# KiCad board TS_FPGA_Module_Rev2.kicad_pcb (continued)
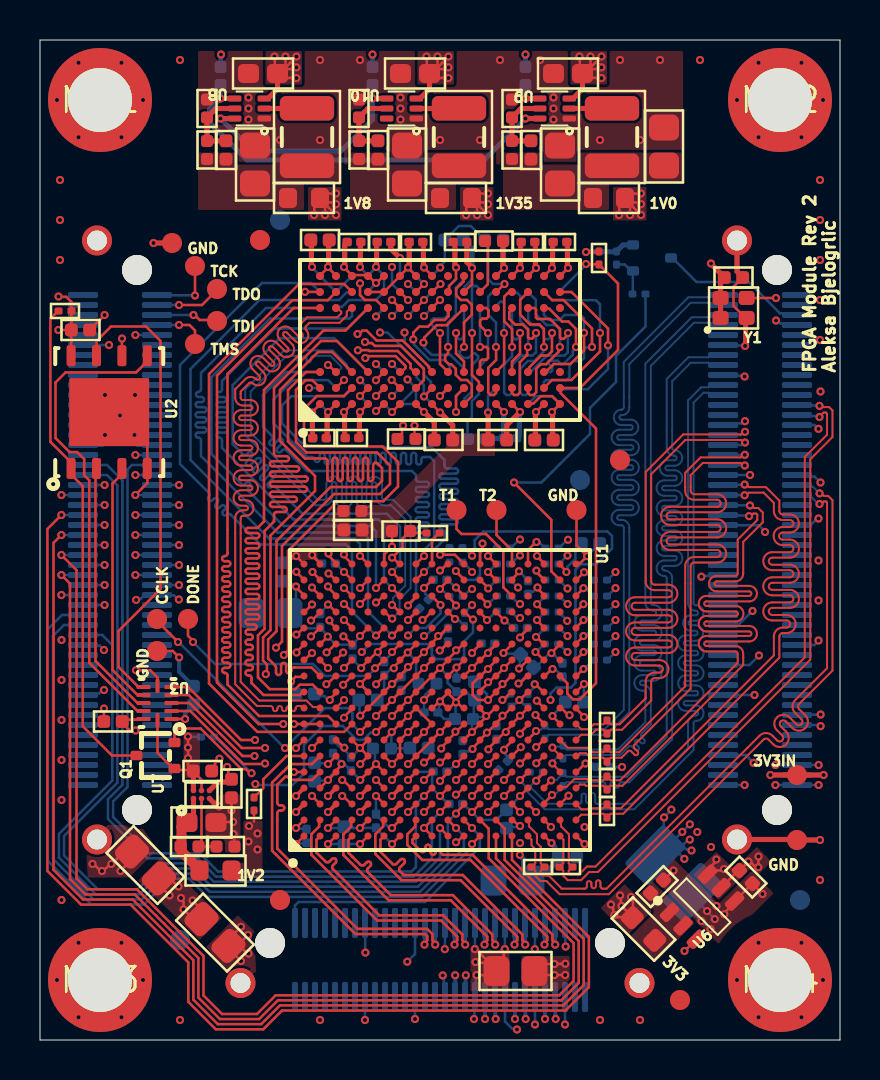
[diagram p0: board, top side]
## Routing (per net, layer and track width the routed paths; a pad name or vN(x,y) marks a point on that pad's centre or on a via; arc(x,y) is an arc through that point) (continued)
/FPGA_Banks_14_15_DDR3/DDR3_A10: length 1.2
  Top Layer w0.127: v1(22.4,24.2) U1.N18
  Bottom Layer w0.127: R32.1 22.81,24.6 22.41,24.2 v1(22.4,24.2)
/FPGA_Banks_14_15_DDR3/DDR3_A10_T: length 45.9
  Top Layer w0.127: v1(22.4,35.35) 22.38,35.35 22.01,35.72 22.01,35.97 22.11,36.07 22.32,36.07 22.42,36.17 22.42,36.49 22.31,36.6 U4.L7
  Int2 (Sign) w0.127: v1(22.4,35.35) 22.4,33.62 22.7,33.32 26.98,33.32 27.65,32.65 28.35,32.65 28.44,32.56 28.44,32.33 arc(28.41,32.24) 28.32,32.2 27.93,32.2 arc(27.8,32.08) 27.93,31.95 28.81,31.95 arc(28.93,31.82) 28.81,31.69 27.93,31.69 arc(27.8,31.57) 27.93,31.44 28.81,31.44 arc(28.93,31.31) 28.81,31.19 27.93,31.19 arc(27.8,31.06) 27.93,30.93 28.81,30.93 arc(28.93,30.81) 28.81,30.68 27.93,30.68 arc(27.8,30.55) 27.93,30.42 28.81,30.42 arc(28.93,30.3) 28.81,30.17 27.93,30.17 arc(27.8,30.04) 27.93,29.92 28.81,29.92 arc(28.93,29.79) 28.81,29.66 27.93,29.66 arc(27.8,29.54) 27.93,29.41 28.81,29.41 arc(28.93,29.28) 28.81,29.15 27.93,29.15 arc(27.8,29.03) 27.93,28.9 28.81,28.9 arc(28.93,28.77) 28.81,28.65 27.93,28.65 arc(27.8,28.52) 27.93,28.39 28.81,28.39 arc(28.93,28.27) 28.81,28.14 27.72,28.14 arc(27.6,28.01) 27.72,27.88 28.81,27.88 arc(28.93,27.76) 28.81,27.63 27.22,27.63 arc(27.09,27.5) 27.22,27.38 28.32,27.38 arc(28.41,27.34) 28.45,27.25 28.45,26.12 28.3,25.98 24.57,25.98 24,25.4 v1(24,25.03)
  Bottom Layer w0.127: U5.L7 22,33.7 22.4,34.1 v1(22.4,35.35) ; v1(24,25.03) 23.96,25.03 23.54,24.6 23.53,24.6
/FPGA_Banks_14_15_DDR3/DDR3_A11: length 1.2
  Top Layer w0.127: v1(27.17,21) 27.17,20.99 26.8,20.61 U1.V14
  Bottom Layer w0.127: R38.1 27.67,21.4 27.33,21.05 27.23,21.05 v1(27.17,21)
/FPGA_Banks_14_15_DDR3/DDR3_A11_T: length 48
  Top Layer w0.127: U4.R7 25.24,36.56 25.46,36.56 26.1,35.93 26.42,35.93 26.8,35.55 v1(26.8,34.65)
  Int2 (Sign) w0.127: v1(26.8,34.65) 26.8,35.59 27.33,36.12 31.78,36.12 34.3,33.6 34.3,33.46 arc(34.34,33.37) 34.43,33.33 34.46,33.33 arc(34.58,33.21) 34.46,33.08 34.37,33.08 arc(34.25,32.95) 34.37,32.83 34.46,32.83 arc(34.58,32.7) 34.46,32.57 34.39,32.57 arc(34.26,32.45) 34.39,32.32 34.46,32.32 arc(34.58,32.19) 34.46,32.06 34.39,32.06 arc(34.26,31.94) 34.39,31.81 34.46,31.81 arc(34.58,31.68) 34.46,31.56 34.39,31.56 arc(34.26,31.43) 34.39,31.3 34.46,31.3 arc(34.58,31.18) 34.46,31.05 34.39,31.05 arc(34.26,30.92) 34.39,30.79 34.46,30.79 arc(34.58,30.67) 34.46,30.54 34.39,30.54 arc(34.26,30.41) 34.39,30.29 34.46,30.29 arc(34.58,30.16) 34.46,30.03 34.39,30.03 arc(34.26,29.91) 34.39,29.78 34.46,29.78 arc(34.58,29.65) 34.46,29.52 34.39,29.52 arc(34.26,29.4) 34.39,29.27 34.46,29.27 arc(34.58,29.14) 34.46,29.02 34.39,29.02 arc(34.26,28.89) 34.39,28.76 34.46,28.76 arc(34.58,28.64) 34.46,28.51 34.39,28.51 arc(34.26,28.38) 34.39,28.25 34.46,28.25 arc(34.58,28.13) 34.46,28 34.39,28 arc(34.26,27.87) 34.39,27.75 34.46,27.75 arc(34.58,27.62) 34.46,27.49 34.39,27.49 arc(34.26,27.37) 34.39,27.24 34.46,27.24 arc(34.58,27.11) 34.46,26.98 34.39,26.98 arc(34.26,26.86) 34.39,26.73 34.46,26.73 arc(34.58,26.6) 34.46,26.48 34.39,26.48 arc(34.26,26.35) 34.39,26.22 34.46,26.22 arc(34.58,26.1) 34.46,25.97 34.39,25.97 arc(34.26,25.84) 34.39,25.71 34.69,25.71 arc(34.82,25.59) 34.69,25.46 34.39,25.46 arc(34.26,25.33) 34.39,25.21 34.69,25.21 arc(34.82,25.08) 34.69,24.95 34.37,24.95 arc(34.25,24.83) 34.37,24.7 34.69,24.7 arc(34.82,24.57) 34.69,24.44 34.37,24.44 arc(34.25,24.32) 34.37,24.19 34.69,24.19 arc(34.82,24.06) 34.69,23.94 34.43,23.94 arc(34.34,23.9) 34.3,23.81 34.3,23.15 32.96,21.81 32.94,21.79 32.55,21.79 arc(32.46,21.76) 32.42,21.67 32.42,21.49 arc(32.3,21.36) 32.17,21.49 32.17,21.82 arc(32.04,21.95) 31.92,21.82 31.92,21.49 arc(31.79,21.36) 31.66,21.49 31.66,21.82 arc(31.54,21.95) 31.41,21.82 31.41,21.49 arc(31.28,21.36) 31.15,21.49 31.15,21.82 arc(31.03,21.95) 30.9,21.82 30.9,21.49 arc(30.77,21.36) 30.65,21.49 30.65,21.82 arc(30.52,21.95) 30.39,21.82 30.39,21.49 arc(30.27,21.36) 30.14,21.49 30.14,21.82 arc(30.01,21.95) 29.88,21.82 29.88,21.49 arc(29.76,21.36) 29.63,21.49 29.63,21.67 arc(29.59,21.76) 29.5,21.79 v1(28.78,21.79)
  Bottom Layer w0.127: U5.R7 25.54,33.4 25.61,33.47 25.61,33.64 25.42,33.83 25.42,33.94 25.45,33.96 25.89,33.96 26.06,33.8 26.16,33.8 26.56,34.2 26.57,34.2 26.64,34.27 26.64,34.44 26.8,34.6 v1(26.8,34.65) ; R38.2 28.38,21.4 28.77,21.79 v1(28.78,21.79)
/FPGA_Banks_14_15_DDR3/DDR3_A12: length 1.2
  Top Layer w0.127: U1.T13 25.17,19.8 24.82,20.15 v1(24.8,20.15)
  Bottom Layer w0.127: v1(24.8,20.15) 25.25,20.6 R20.1
/FPGA_Banks_14_15_DDR3/DDR3_A12_T: length 48.1
  Top Layer w0.127: v1(24.8,35.35) 24.8,35.27 24.65,35.13 24.65,35.12 24.6,35.07 24.47,35.07 24.4,35.14 24.4,35.52 24.14,35.78 23.75,35.78 23.46,36.06 23.46,36.39 23.6,36.53 U4.N7
  Int2 (Sign) w0.127: v1(24.8,35.35) 24.85,35.4 24.85,35.53 27.07,37.75 33.38,37.75 37.1,34.03 37.1,23.12 36.12,22.15 36.12,21.2 35.63,20.7 arc(35.54,20.66) 35.45,20.7 35.16,20.98 arc(35.07,21.02) 34.98,20.98 arc(34.95,20.89) 34.98,20.8 35.27,20.52 arc(35.31,20.43) 35.27,20.34 arc(35.18,20.3) 35.09,20.34 34.8,20.62 arc(34.71,20.66) 34.62,20.62 arc(34.59,20.53) 34.62,20.44 34.91,20.16 arc(34.94,20.07) 34.91,19.98 34.72,19.8 28.48,19.8 arc(28.39,19.84) 28.35,19.93 28.35,19.97 arc(28.23,20.1) 28.1,19.97 28.1,19.7 arc(27.97,19.57) 27.85,19.7 27.85,19.97 arc(27.72,20.1) 27.59,19.97 27.59,19.93 arc(27.55,19.84) 27.46,19.8 26.78,19.8 v1(26.38,20.2)
  Bottom Layer w0.127: v1(24.8,35.35) 24.8,34.39 24.63,34.22 24.07,34.22 23.6,33.75 U5.N7 ; 25.96,20.6 26.36,20.2 v1(26.38,20.2)
/FPGA_Banks_14_15_DDR3/DDR3_BA0: length 1.2
  Top Layer w0.127: v1(22.4,23.4) U1.N17
  Bottom Layer w0.127: R29.1 22.81,23.8 22.41,23.4 v1(22.4,23.4)
/FPGA_Banks_14_15_DDR3/DDR3_BA0_T: length 47.5
  Top Layer w0.127: U4.M2 22.8,32.35 22.7,32.25 22.53,32.25 22.41,32.37 22.41,33.61 22.8,34 22.8,34.65 v1(22.8,34.65)
  Int2 (Sign) w0.127: v1(24,24.23) 24.02,24.23 24.39,24.6 24.39,25.43 24.66,25.7 24.94,25.7 arc(25.03,25.66) 25.07,25.57 25.07,25.43 arc(25.2,25.31) 25.32,25.43 25.32,25.57 arc(25.36,25.66) 25.45,25.7 29.18,25.7 29.25,25.77 29.25,25.89 arc(29.21,25.98) 29.12,26.02 28.83,26.02 arc(28.7,26.14) 28.83,26.27 29.72,26.27 arc(29.85,26.4) 29.72,26.52 28.83,26.52 arc(28.7,26.65) 28.83,26.78 29.72,26.78 arc(29.85,26.9) 29.72,27.03 29.32,27.03 arc(29.19,27.16) 29.32,27.29 29.68,27.29 arc(29.81,27.41) 29.68,27.54 29.32,27.54 arc(29.19,27.67) 29.32,27.79 29.68,27.79 arc(29.81,27.92) 29.68,28.05 29.32,28.05 arc(29.19,28.17) 29.32,28.3 29.69,28.3 arc(29.81,28.43) 29.69,28.56 29.32,28.56 arc(29.19,28.68) 29.32,28.81 29.69,28.81 arc(29.81,28.94) 29.69,29.06 29.32,29.06 arc(29.19,29.19) 29.32,29.32 29.69,29.32 arc(29.82,29.44) 29.69,29.57 29.32,29.57 arc(29.19,29.7) 29.32,29.83 29.69,29.83 arc(29.82,29.95) 29.69,30.08 29.32,30.08 arc(29.19,30.21) 29.32,30.33 29.69,30.33 arc(29.82,30.46) 29.69,30.59 29.32,30.59 arc(29.19,30.71) 29.32,30.84 29.69,30.84 arc(29.82,30.97) 29.69,31.1 29.32,31.1 arc(29.19,31.22) 29.32,31.35 29.69,31.35 arc(29.82,31.48) 29.69,31.6 29.32,31.6 arc(29.19,31.73) 29.32,31.86 29.69,31.86 arc(29.82,31.98) 29.69,32.11 29.18,32.11 arc(29.06,32.24) 29.18,32.37 29.72,32.37 arc(29.85,32.49) 29.72,32.62 29.38,32.62 arc(29.29,32.66) 29.25,32.75 29.25,33.48 29.15,33.58 28.85,33.58 arc(28.76,33.54) 28.72,33.45 28.72,33 arc(28.6,32.88) 28.47,33 28.47,33.45 arc(28.34,33.58) 28.22,33.45 28.22,33.03 arc(28.09,32.91) 27.96,33.03 27.96,33.45 arc(27.84,33.58) 27.71,33.45 27.71,33.39 arc(27.58,33.27) 27.45,33.39 27.45,33.45 arc(27.42,33.54) 27.33,33.58 23.05,33.58 22.8,33.83 v1(22.8,34.65)
  Bottom Layer w0.127: 23.53,23.8 23.54,23.8 23.96,24.23 v1(24,24.23) ; U5.M2 22.75,37.35 22.58,37.35 22.41,37.17 22.41,36.27 22.8,35.87 v1(22.8,34.65)
/FPGA_Banks_14_15_DDR3/DDR3_BA1: length 1.9
  Top Layer w0.127: v1(24.82,24.9) 24.8,24.9 24.4,24.5 U1.R18
  Bottom Layer w0.127: R22.1 25.24,24.6 24.99,24.85 24.85,24.85 24.82,24.88 v1(24.82,24.9)
/FPGA_Banks_14_15_DDR3/DDR3_BA1_T: length 45.8
  Top Layer w0.127: U4.N8 23.55,37.35 23.39,37.35 23.21,37.17 23.21,35.94 23.6,35.55 v1(23.6,34.65)
  Int2 (Sign) w0.127: v1(26.4,25.01) 26.79,24.62 27.87,24.62 arc(27.96,24.59) 28,24.5 28,24.18 arc(28.13,24.05) 28.25,24.18 28.25,24.53 arc(28.38,24.65) 28.51,24.53 28.51,24.18 arc(28.63,24.05) 28.76,24.18 28.76,24.53 arc(28.89,24.65) 29.01,24.53 29.01,24.18 arc(29.14,24.05) 29.27,24.18 29.27,24.53 arc(29.4,24.65) 29.52,24.53 29.52,24.21 arc(29.65,24.08) 29.78,24.21 29.78,25.04 arc(29.9,25.17) 30.03,25.04 30.03,24.21 arc(30.16,24.08) 30.28,24.21 30.28,24.5 arc(30.32,24.59) 30.41,24.62 30.61,24.62 30.8,24.81 30.8,25.01 arc(30.76,25.1) 30.67,25.14 30.41,25.14 arc(30.28,25.26) 30.41,25.39 31.11,25.39 arc(31.24,25.52) 31.11,25.64 30.48,25.64 arc(30.35,25.77) 30.48,25.9 31.11,25.9 arc(31.24,26.02) 31.11,26.15 30.48,26.15 arc(30.35,26.28) 30.48,26.41 31.11,26.41 arc(31.24,26.53) 31.11,26.66 30.48,26.66 arc(30.35,26.79) 30.48,26.91 31.11,26.91 arc(31.24,27.04) 31.11,27.17 30.95,27.17 arc(30.82,27.29) 30.95,27.42 31.11,27.42 arc(31.24,27.55) 31.11,27.68 30.95,27.68 arc(30.82,27.8) 30.95,27.93 31.11,27.93 arc(31.24,28.06) 31.11,28.18 30.95,28.18 arc(30.82,28.31) 30.95,28.44 31.11,28.44 arc(31.24,28.56) 31.11,28.69 30.95,28.69 arc(30.82,28.82) 30.95,28.95 31.11,28.95 arc(31.24,29.07) 31.11,29.2 30.95,29.2 arc(30.82,29.33) 30.95,29.45 31.11,29.45 arc(31.24,29.58) 31.11,29.71 30.95,29.71 arc(30.82,29.83) 30.95,29.96 31.11,29.96 arc(31.24,30.09) 31.11,30.22 30.95,30.22 arc(30.82,30.34) 30.95,30.47 31.11,30.47 arc(31.24,30.6) 31.11,30.72 30.95,30.72 arc(30.82,30.85) 30.95,30.98 31.11,30.98 arc(31.24,31.1) 31.11,31.23 30.95,31.23 arc(30.82,31.36) 30.95,31.49 31.1,31.49 arc(31.23,31.61) 31.1,31.74 30.92,31.74 arc(30.83,31.78) 30.8,31.87 30.8,33.65 30.37,34.08 23.77,34.08 23.6,34.25 23.6,34.65 v1(23.6,34.65)
  Bottom Layer w0.127: U5.N8 23.6,32.35 23.5,32.25 23.32,32.25 23.21,32.37 23.21,33.78 23.6,34.18 v1(23.6,34.65) ; 25.96,24.61 26.37,25.03
/FPGA_Banks_14_15_DDR3/DDR3_BA2: length 1.2
  Top Layer w0.127: U1.M17 22.01,23 22.41,22.6 v1(22.41,22.58)
  Bottom Layer w0.127: v1(22.41,22.58) 22.41,22.58 22.83,23 R25.1
/FPGA_Banks_14_15_DDR3/DDR3_BA2_T: length 45.4
  Top Layer w0.127: v1(23.2,35.35) 23.21,35.34 23.21,33.81 U4.M3
  Int2 (Sign) w0.127: v1(23.2,35.35) 23.2,34.03 23.39,33.83 29.74,33.83 30.1,33.48 30.1,33.19 arc(30.14,33.1) 30.23,33.06 30.41,33.06 arc(30.54,32.94) 30.41,32.81 30.23,32.81 arc(30.1,32.68) 30.23,32.56 30.41,32.56 arc(30.54,32.43) 30.41,32.3 30.2,32.3 arc(30.07,32.18) 30.2,32.05 30.41,32.05 arc(30.54,31.92) 30.41,31.79 30.2,31.79 arc(30.07,31.67) 30.2,31.54 30.44,31.54 arc(30.57,31.41) 30.44,31.29 30.2,31.29 arc(30.07,31.16) 30.2,31.03 30.44,31.03 arc(30.57,30.91) 30.44,30.78 30.2,30.78 arc(30.07,30.65) 30.2,30.52 30.44,30.52 arc(30.57,30.4) 30.44,30.27 30.2,30.27 arc(30.07,30.14) 30.2,30.02 30.44,30.02 arc(30.57,29.89) 30.44,29.76 30.2,29.76 arc(30.07,29.64) 30.2,29.51 30.44,29.51 arc(30.57,29.38) 30.44,29.25 30.19,29.25 arc(30.07,29.13) 30.19,29 30.44,29 arc(30.57,28.87) 30.44,28.75 30.19,28.75 arc(30.07,28.62) 30.19,28.49 30.44,28.49 arc(30.57,28.37) 30.44,28.24 30.19,28.24 arc(30.06,28.11) 30.19,27.98 30.44,27.98 arc(30.57,27.86) 30.44,27.73 30.19,27.73 arc(30.06,27.6) 30.19,27.48 30.44,27.48 arc(30.57,27.35) 30.44,27.22 30.23,27.22 arc(30.14,27.19) 30.1,27.1 30.1,25.62 29.9,25.43 29.54,25.43 arc(29.45,25.39) 29.41,25.3 29.41,25.03 arc(29.28,24.91) 29.16,25.03 29.16,25.32 arc(29.03,25.45) 28.9,25.32 28.9,25.03 arc(28.78,24.91) 28.65,25.03 28.65,25.32 arc(28.52,25.45) 28.39,25.32 28.39,25.03 arc(28.27,24.91) 28.14,25.03 28.14,25.32 arc(28.01,25.45) 27.89,25.32 27.89,25.01 arc(27.76,24.88) 27.63,25.01 27.63,25.32 arc(27.51,25.45) 27.38,25.32 27.38,25.01 arc(27.25,24.88) 27.12,25.01 27.12,25.3 arc(27.09,25.39) 27,25.43 25.75,25.43 25.62,25.3 25.62,25.12 arc(25.66,25.03) 25.75,24.99 25.88,24.99 arc(26.01,24.86) 25.88,24.74 25.38,24.74 arc(25.25,24.61) 25.38,24.48 25.85,24.48 arc(25.98,24.36) 25.85,24.23 25.38,24.23 arc(25.25,24.1) 25.38,23.97 25.5,23.97 arc(25.59,23.94) 25.62,23.85 25.62,23.6 25.1,23.07 24.72,23.07 24.29,22.64 23.92,22.64 v1(23.9,22.62)
  Bottom Layer w0.127: v1(23.9,22.62) 23.53,23 23.51,23 ; U5.M3 22.8,36.67 22.9,36.78 22.9,36.8 23.02,36.91 23.13,36.91 23.2,36.84 v1(23.2,35.35)
/FPGA_Banks_14_15_DDR3/DDR3_CAS: length 1.2
  Top Layer w0.127: v1(20,23.48) 20.04,23.48 20.36,23.8 U1.K18
  Bottom Layer w0.127: v1(20,23.48) 20.01,23.48 20.44,23.9 R37.1
/FPGA_Banks_14_15_DDR3/DDR3_CAS_T: length 42
  Top Layer w0.127: v1(20.8,35.35) 20.8,34.33 21.2,33.93 U4.K3
  Int2 (Sign) w0.127: v1(21.6,23.4) 21.21,23.79 21.21,25.45 arc(21.25,25.54) 21.34,25.58 21.66,25.58 arc(21.79,25.7) 21.66,25.83 21.35,25.83 arc(21.23,25.96) 21.35,26.08 21.64,26.08 arc(21.77,26.21) 21.64,26.34 21.36,26.34 arc(21.23,26.46) 21.36,26.59 21.65,26.59 arc(21.78,26.72) 21.65,26.85 21.36,26.85 arc(21.23,26.97) 21.36,27.1 21.65,27.1 arc(21.78,27.23) 21.65,27.35 21.36,27.35 arc(21.24,27.48) 21.36,27.61 21.65,27.61 arc(21.78,27.73) 21.65,27.86 21.37,27.86 arc(21.24,27.99) 21.37,28.12 21.65,28.12 arc(21.78,28.24) 21.65,28.37 21.37,28.37 arc(21.25,28.5) 21.37,28.62 21.67,28.62 arc(21.8,28.75) 21.67,28.88 21.38,28.88 arc(21.25,29) 21.38,29.13 21.68,29.13 arc(21.81,29.26) 21.68,29.39 21.34,29.39 arc(21.25,29.42) 21.21,29.51 21.21,29.63 21.42,29.85 22.02,29.85 arc(22.11,29.81) 22.14,29.72 22.14,29.48 arc(22.27,29.35) 22.4,29.48 22.4,30.07 arc(22.53,30.2) 22.65,30.07 22.65,29.48 arc(22.78,29.35) 22.91,29.48 22.91,30.07 arc(23.03,30.2) 23.16,30.07 23.16,29.48 arc(23.29,29.35) 23.41,29.48 23.41,30.07 arc(23.54,30.2) 23.67,30.07 23.67,29.48 arc(23.8,29.35) 23.92,29.48 23.92,30.07 arc(24.05,30.2) 24.18,30.07 24.18,29.58 arc(24.3,29.45) 24.43,29.58 24.43,30.07 arc(24.56,30.2) 24.68,30.07 24.68,29.9 arc(24.81,29.77) 24.94,29.9 24.94,30.07 arc(25.07,30.2) 25.19,30.07 25.19,29.98 arc(25.23,29.89) 25.32,29.85 26.4,29.85 26.6,30.05 26.6,31.92 26.22,32.31 21.57,32.31 20.8,33.08 v1(20.8,35.35)
  Bottom Layer w0.127: 21.16,23.9 21.16,23.88 21.6,23.44 v1(21.6,23.4) ; U5.K3 21.2,35.17 21.07,35.04 20.95,35.04 20.85,35.14 20.85,35.3 v1(20.8,35.35)
/FPGA_Banks_14_15_DDR3/DDR3_CKE: length 2
  Top Layer w0.127: v1(20,24.26) 20.74,24.26 U1.L18
  Bottom Layer w0.127: v1(20,24.26) 20.07,24.26 20.44,24.62 R34.1
/FPGA_Banks_14_15_DDR3/DDR3_CKE_T: length 44.8
  Top Layer w0.127: U4.K9 21.18,38.18 21.18,37.93 21.04,37.79 21.04,37.79 20.81,37.56 20.81,37.24 21.05,37 21.35,37 21.59,36.76 21.59,36.27 21.2,35.88 v1(21.2,34.65)
  Int2 (Sign) w0.127: v1(21.2,34.65) 21.2,33.2 21.84,32.56 26.41,32.56 26.91,32.07 26.91,29.28 26.72,29.1 26.64,29.1 arc(26.55,29.14) 26.52,29.23 26.52,29.39 arc(26.39,29.52) 26.26,29.39 26.26,28.7 arc(26.14,28.57) 26.01,28.7 26.01,29.39 arc(25.88,29.52) 25.76,29.39 25.76,28.7 arc(25.63,28.57) 25.5,28.7 25.5,29.39 arc(25.37,29.52) 25.25,29.39 25.25,28.7 arc(25.12,28.57) 24.99,28.7 24.99,29.39 arc(24.87,29.52) 24.74,29.39 24.74,28.7 arc(24.61,28.57) 24.49,28.7 24.49,29.07 arc(24.36,29.2) 24.23,29.07 24.23,28.7 arc(24.1,28.57) 23.98,28.7 23.98,28.97 arc(23.85,29.1) 23.72,28.97 23.72,28.7 arc(23.6,28.57) 23.47,28.7 23.47,28.97 arc(23.34,29.1) 23.22,28.97 23.22,28.7 arc(23.09,28.57) 22.96,28.7 22.96,28.97 arc(22.83,29.1) 22.71,28.97 22.71,28.74 arc(22.58,28.61) 22.45,28.74 22.45,28.97 arc(22.42,29.06) 22.33,29.1 22.25,29.1 22.05,28.9 22.05,28.53 arc(22.09,28.44) 22.18,28.4 22.26,28.4 arc(22.39,28.28) 22.26,28.15 22.15,28.15 arc(22.03,28.02) 22.15,27.9 22.44,27.9 arc(22.57,27.77) 22.44,27.64 22.15,27.64 arc(22.02,27.52) 22.15,27.39 22.48,27.39 arc(22.61,27.26) 22.48,27.13 22.15,27.13 arc(22.02,27.01) 22.15,26.88 22.47,26.88 arc(22.6,26.75) 22.47,26.63 22.15,26.63 arc(22.02,26.5) 22.15,26.37 22.47,26.37 arc(22.6,26.25) 22.47,26.12 22.15,26.12 arc(22.02,25.99) 22.15,25.86 22.47,25.86 arc(22.6,25.74) 22.47,25.61 22.18,25.61 arc(22.09,25.57) 22.05,25.48 22.05,25.31 21.6,24.86 v1(21.6,24.21)
  Bottom Layer w0.127: v1(21.6,24.21) 21.58,24.21 21.16,24.62 21.16,24.62 ; v1(21.2,34.65) 20.98,34.43 20.98,34.29 21.16,34.11 21.43,34.11 21.65,34.33 21.76,34.33 21.91,34.19 21.91,34.06 21.6,33.75 21.6,32.45 21.23,32.07 21.23,31.83 U5.K9
/FPGA_Banks_14_15_DDR3/DDR3_CLK_N: length 43.9
  Top Layer w0.127: R31.1 18.72,30.1 v1(18.72,30.73) ; U4.K7 20.34,35.74 19.84,35.74 19.22,35.13 19.22,34.92 v1(19.17,34.87) ; v1(27.2,16.15) 27.2,16.18 26.8,16.58 U1.V9
  Int2 (Sign) w0.1: v1(19.17,34.87) 19.17,34.79 19.07,34.69 19.07,32.62 18.57,32.12 18.57,30.94 18.72,30.79 18.72,30.66 18.57,30.51 18.57,29.98 arc(18.61,29.9) 18.69,29.87 18.77,29.87 arc(19.18,29.46) 18.77,29.04 18.35,29.04 arc(18.24,28.93) 18.35,28.82 18.77,28.82 arc(19.18,28.4) 18.77,27.99 18.35,27.99 arc(18.24,27.88) 18.35,27.76 18.77,27.76 arc(19.18,27.35) 18.77,26.93 18.35,26.93 arc(18.24,26.82) 18.35,26.71 18.77,26.71 arc(19.18,26.29) 18.77,25.88 18.35,25.88 arc(18.24,25.77) 18.35,25.65 18.77,25.65 arc(19.18,25.24) 18.77,24.83 18.69,24.83 arc(18.61,24.79) 18.57,24.71 18.57,22.66 21.06,20.18 23.4,20.18 26.17,17.4 28.52,17.4 28.92,17.81 29.69,17.81 30.1,17.4 30.1,16.9 29.63,16.43 29.5,16.43 29.5,16.43 27.47,16.43 v1(27.2,16.15)
  Bottom Layer w0.127: U5.K7 21.15,33.45 21.15,33.63 20.52,34.25 20.35,34.25 20.34,34.26 19.58,34.26 19.22,34.61 19.22,34.82 v1(19.17,34.87)
/FPGA_Banks_14_15_DDR3/DDR3_CLK_P: length 44.5
  Top Layer w0.127: R31.2 17.87,30.1 18.1,30.32 18.1,30.67 v1(18.15,30.72) ; v1(26.47,16.24) 26.42,16.24 26.06,16.6 U1.U9 ; v1(18.66,35.03) 18.66,35.37 18.97,35.67 19.4,35.67 19.73,36 20.24,36 20.42,36.19 20.42,36.58 U4.J7
  Int2 (Sign) w0.1: v1(18.15,30.72) 18.15,30.64 18.28,30.52 18.28,29.98 arc(18.4,29.69) 18.69,29.57 18.77,29.57 arc(18.88,29.46) 18.77,29.34 18.35,29.34 arc(17.94,28.93) 18.35,28.52 18.77,28.52 arc(18.88,28.4) 18.77,28.29 18.35,28.29 arc(17.94,27.88) 18.35,27.46 18.77,27.46 arc(18.88,27.35) 18.77,27.23 18.35,27.23 arc(17.94,26.82) 18.35,26.41 18.77,26.41 arc(18.88,26.29) 18.77,26.18 18.35,26.18 arc(17.94,25.77) 18.35,25.35 18.77,25.35 arc(18.88,25.24) 18.77,25.13 18.69,25.13 arc(18.4,25.01) 18.28,24.71 18.28,22.54 20.94,19.88 23.28,19.88 26.05,17.1 28.64,17.1 29.05,17.51 29.57,17.51 29.8,17.28 29.8,17.02 29.5,16.73 26.96,16.73 v1(26.47,16.24) ; 18.17,30.72 18.17,30.82 18.28,30.93 18.28,32.25 18.78,32.75 18.78,34.84 18.66,34.95 v1(18.66,35.03)
  Bottom Layer w0.127: v1(18.66,35.03) 18.7,34.99 18.7,34.77 19.47,34 20.24,34 20.49,33.75 20.49,33.56 20.4,33.47 U5.J7
/FPGA_Banks_14_15_DDR3/DDR3_D0: length 33.7
  Top Layer w0.127: v1(15.2,21) 15.56,20.64 ; 16.8,33 U4.E3
  Int3 (Sign) w0.127: 16.8,33 16.75,33.05 16.5,33.05 16.16,33.39 15.04,33.39 14.64,33 13.29,33 13.05,32.76 13.05,31.34 13.41,30.98 14.22,30.98 14.97,30.23 14.97,29.92 arc(14.94,29.83) 14.85,29.79 14.6,29.79 arc(14.47,29.67) 14.6,29.54 15.21,29.54 arc(15.34,29.41) 15.21,29.29 14.58,29.29 arc(14.45,29.16) 14.58,29.03 15.21,29.03 arc(15.34,28.91) 15.21,28.78 14.58,28.78 arc(14.45,28.65) 14.58,28.52 15.21,28.52 arc(15.34,28.4) 15.21,28.27 14.58,28.27 arc(14.45,28.14) 14.58,28.02 15.21,28.02 arc(15.34,27.89) 15.21,27.76 14.58,27.76 arc(14.45,27.64) 14.58,27.51 15.21,27.51 arc(15.34,27.38) 15.21,27.25 14.58,27.25 arc(14.45,27.13) 14.58,27 15.21,27 arc(15.34,26.87) 15.21,26.75 14.58,26.75 arc(14.45,26.62) 14.58,26.49 15.21,26.49 arc(15.34,26.37) 15.21,26.24 14.58,26.24 arc(14.45,26.11) 14.58,25.98 14.85,25.98 arc(14.94,25.95) 14.97,25.86 14.97,25.55 14.08,24.66 13.44,24.66 13.21,24.43 13.21,24.04 12.98,23.8 12.65,23.8 12.41,23.56 12.41,22.51 12.72,22.2 13.73,22.2 14,21.93 14,21.62 14.24,21.38 14.82,21.38 v1(15.2,21)
  vias: v1(16.8,32.99)
/FPGA_Banks_14_15_DDR3/DDR3_D1: length 31.1
  Top Layer w0.127: v1(13.6,19.35) 13.58,19.35 13.26,19.04 13.21,19.04 ; v1(17.6,37) U4.F7
  Int3 (Sign) w0.127: v1(17.6,37) 16.67,37 16.07,36.4 13,36.4 8.57,31.98 8.57,25.69 arc(8.61,25.6) 8.7,25.56 arc(8.83,25.44) 8.7,25.31 8.42,25.31 arc(8.29,25.18) 8.42,25.06 8.72,25.06 arc(8.85,24.93) 8.72,24.8 8.41,24.8 arc(8.28,24.68) 8.41,24.55 8.72,24.55 arc(8.85,24.42) 8.72,24.29 8.41,24.29 arc(8.28,24.17) 8.41,24.04 8.45,24.04 arc(8.54,24) 8.57,23.91 8.57,22.53 11.41,19.69 11.41,19.46 12,18.86 13.11,18.86 v1(13.6,19.35)
/FPGA_Banks_14_15_DDR3/DDR3_D2: length 33.8
  Top Layer w0.127: 13.16,21.44 13.26,21.44 v1(13.6,21.78) ; U4.F2 18,32.6 17.59,33 17.59,33
  Int3 (Sign) w0.127: v1(13.6,21.78) 13.56,21.78 13.39,21.95 12.61,21.95 12.05,22.51 12.05,23.73 12.41,24.08 12.41,24.39 12.64,24.62 13.05,24.62 13.34,24.91 13.83,24.91 14.05,25.13 14.05,25.35 arc(14.01,25.44) 13.92,25.48 13.53,25.48 arc(13.4,25.61) 13.53,25.73 14.03,25.73 arc(14.16,25.86) 14.03,25.99 13.53,25.99 arc(13.4,26.11) 13.53,26.24 14.03,26.24 arc(14.16,26.37) 14.03,26.49 13.53,26.49 arc(13.4,26.62) 13.53,26.75 14.03,26.75 arc(14.16,26.88) 14.03,27 13.53,27 arc(13.4,27.13) 13.53,27.26 14.03,27.26 arc(14.16,27.38) 14.03,27.51 13.53,27.51 arc(13.4,27.64) 13.53,27.76 14.03,27.76 arc(14.16,27.89) 14.03,28.02 13.53,28.02 arc(13.4,28.15) 13.53,28.27 14.03,28.27 arc(14.16,28.4) 14.03,28.53 13.53,28.53 arc(13.4,28.65) 13.53,28.78 14.03,28.78 arc(14.16,28.91) 14.03,29.03 13.53,29.03 arc(13.4,29.16) 13.53,29.29 14.03,29.29 arc(14.16,29.42) 14.03,29.54 13.53,29.54 arc(13.4,29.67) 13.53,29.8 14.03,29.8 arc(14.16,29.92) 14.03,30.05 13.55,30.05 arc(13.42,30.18) 13.55,30.3 13.92,30.3 arc(14.01,30.34) 14.05,30.43 14.05,30.58 13.9,30.73 13.31,30.73 12.7,31.33 12.7,32.8 13.25,33.35 14.56,33.35 14.89,33.68 16.34,33.68 16.61,33.41 17.19,33.41 17.59,33.01 17.59,33
  vias: v1(17.58,33)
/FPGA_Banks_14_15_DDR3/DDR3_D3: length 31.7
  Top Layer w0.127: 14.76,19.81 14.76,19.79 14.36,19.38 v1(14.33,19.38) ; U4.F8 v1(18.4,37)
  Int3 (Sign) w0.127: v1(18.4,37) 18.01,37.39 16.69,37.39 15.95,36.65 12.82,36.65 8.03,31.85 8.03,22.48 11.9,18.6 13.65,18.6 14.28,19.23 14.28,19.25 14.33,19.3 v1(14.33,19.38)
/FPGA_Banks_14_15_DDR3/DDR3_D4: length 31.1
  Top Layer w0.127: v1(15.88,35.3) 15.95,35.3 16.12,35.47 16.33,35.47 16.83,34.98 18.13,34.98 19.06,34.04 19.07,34.04 19.44,33.67 19.44,33.61 19.6,33.46 U4.H3 ; 13.16,20.59 12.84,20.27 v1(12.82,20.27)
  Int3 (Sign) w0.127: v1(15.88,35.3) 13.35,35.3 10.29,32.24 10.15,32.1 10.15,31.59 arc(10.19,31.5) 10.28,31.47 arc(10.4,31.34) 10.28,31.21 10.1,31.21 arc(9.97,31.08) 10.1,30.96 10.29,30.96 arc(10.42,30.83) 10.29,30.7 10.01,30.7 arc(9.88,30.58) 10.01,30.45 10.29,30.45 arc(10.42,30.32) 10.29,30.2 10.01,30.2 arc(9.88,30.07) 10.01,29.94 10.29,29.94 arc(10.42,29.81) 10.29,29.69 10.01,29.69 arc(9.88,29.56) 10.01,29.43 10.29,29.43 arc(10.42,29.31) 10.29,29.18 10.01,29.18 arc(9.88,29.05) 10.01,28.93 10.29,28.93 arc(10.42,28.8) 10.29,28.67 10.01,28.67 arc(9.88,28.54) 10.01,28.42 10.29,28.42 arc(10.42,28.29) 10.29,28.16 10.01,28.16 arc(9.88,28.04) 10.01,27.91 10.02,27.91 arc(10.11,27.87) 10.15,27.78 10.15,22.6 12.47,20.28 12.81,20.28 v1(12.82,20.27)
/FPGA_Banks_14_15_DDR3/DDR3_D5: length 31.2
  Top Layer w0.127: U4.H8 19.61,37.4 20.01,37.8 v1(20.03,37.8) ; 13.16,19.76 13.16,19.74 12.82,19.4 v1(12.82,19.38)
  Int3 (Sign) w0.127: v1(12.82,19.38) 12.58,19.62 12.39,19.62 12,20.01 11.71,20.01 9.1,22.62 9.1,28.09 arc(9.06,28.18) 8.97,28.22 8.96,28.22 arc(8.83,28.34) 8.96,28.47 9.24,28.47 arc(9.37,28.6) 9.24,28.72 8.96,28.72 arc(8.83,28.85) 8.96,28.98 9.24,28.98 arc(9.37,29.1) 9.24,29.23 8.96,29.23 arc(8.83,29.36) 8.96,29.49 8.97,29.49 arc(9.06,29.52) 9.1,29.61 9.1,31.98 13.25,36.12 16.17,36.12 16.64,36.59 19.35,36.59 19.61,36.85 19.61,37.18 19.97,37.55 19.97,37.75 v1(20.03,37.8)
/FPGA_Banks_14_15_DDR3/DDR3_D6: length 32.8
  Top Layer w0.127: 15.56,19.84 15.54,19.84 15.19,20.18 v1(15.17,20.18) ; v1(16.25,34.9) 16.3,34.85 16.6,34.85 16.74,34.7 18.05,34.7 18.96,33.79 18.96,33.79 19.19,33.56 19.19,32.99 U4.G2
  Int3 (Sign) w0.127: v1(15.17,20.18) 14.77,20.58 13.39,20.58 13.22,20.75 12.45,20.75 10.67,22.53 10.67,22.84 arc(10.64,22.93) 10.55,22.96 10.53,22.96 arc(10.4,23.09) 10.53,23.22 10.95,23.22 arc(11.07,23.34) 10.95,23.47 10.53,23.47 arc(10.4,23.6) 10.53,23.72 10.95,23.72 arc(11.07,23.85) 10.95,23.98 10.53,23.98 arc(10.4,24.11) 10.53,24.23 10.95,24.23 arc(11.07,24.36) 10.95,24.49 10.53,24.49 arc(10.4,24.61) 10.53,24.74 10.95,24.74 arc(11.07,24.87) 10.95,24.99 10.53,24.99 arc(10.4,25.12) 10.53,25.25 10.92,25.25 arc(11.04,25.38) 10.92,25.5 10.55,25.5 arc(10.42,25.63) 10.55,25.76 arc(10.64,25.79) 10.67,25.88 10.67,32.15 13.42,34.9 v1(16.25,34.9)
/FPGA_Banks_14_15_DDR3/DDR3_D7: length 36
  Top Layer w0.127: U4.H7 v1(20,37) ; v1(13.55,20.18) 13.56,20.18 13.95,20.56 13.96,20.56
  Int3 (Sign) w0.127: v1(20,37) 20,36.44 19.33,35.77 13.33,35.77 9.62,32.06 9.62,27.63 arc(9.66,27.55) 9.75,27.51 arc(9.88,27.38) 9.75,27.25 9.55,27.25 arc(9.42,27.13) 9.55,27 9.77,27 arc(9.9,26.87) 9.77,26.75 9.48,26.75 arc(9.35,26.62) 9.48,26.49 9.77,26.49 arc(9.9,26.36) 9.77,26.24 9.48,26.24 arc(9.35,26.11) 9.48,25.98 9.77,25.98 arc(9.9,25.86) 9.77,25.73 9.48,25.73 arc(9.35,25.6) 9.48,25.48 9.77,25.48 arc(9.9,25.35) 9.77,25.22 9.48,25.22 arc(9.35,25.09) 9.48,24.97 9.77,24.97 arc(9.9,24.84) 9.77,24.71 9.48,24.71 arc(9.35,24.59) 9.48,24.46 9.77,24.46 arc(9.9,24.33) 9.77,24.21 9.48,24.21 arc(9.35,24.08) 9.48,23.95 9.77,23.95 arc(9.9,23.82) 9.77,23.7 9.48,23.7 arc(9.35,23.57) 9.48,23.44 9.77,23.44 arc(9.9,23.32) 9.77,23.19 9.48,23.19 arc(9.35,23.06) 9.48,22.94 9.5,22.94 arc(9.59,22.9) 9.62,22.81 9.62,22.75 12.5,19.88 13.32,19.88 13.55,20.1 v1(13.55,20.18)
/FPGA_Banks_14_15_DDR3/DDR3_D8: length 38.9
  Top Layer w0.127: U1.A10 13.14,17.4 12.99,17.25 11.17,17.25 10.57,17.85 10.57,18.11 arc(10.54,18.2) 10.45,18.24 10.4,18.24 arc(10.27,18.36) 10.4,18.49 10.52,18.49 arc(10.64,18.62) 10.52,18.74 10.4,18.74 arc(10.27,18.87) 10.4,19 10.52,19 arc(10.64,19.13) 10.52,19.25 10.4,19.25 arc(10.27,19.38) 10.4,19.51 10.52,19.51 arc(10.64,19.63) 10.52,19.76 10.4,19.76 arc(10.27,19.89) 10.4,20.01 10.52,20.01 arc(10.64,20.14) 10.52,20.27 10.4,20.27 arc(10.27,20.4) 10.4,20.52 10.7,20.52 arc(10.83,20.65) 10.7,20.78 10.4,20.78 arc(10.27,20.9) 10.4,21.03 10.84,21.03 arc(10.97,21.16) 10.84,21.28 10.4,21.28 arc(10.27,21.41) 10.4,21.54 10.84,21.54 arc(10.97,21.67) 10.84,21.79 10.4,21.79 arc(10.27,21.92) 10.4,22.05 10.84,22.05 arc(10.97,22.17) 10.84,22.3 10.4,22.3 arc(10.27,22.43) 10.4,22.55 10.84,22.55 arc(10.97,22.68) 10.84,22.81 10.4,22.81 arc(10.27,22.94) 10.4,23.06 10.84,23.06 arc(10.97,23.19) 10.84,23.32 10.4,23.32 arc(10.27,23.44) 10.4,23.57 10.84,23.57 arc(10.97,23.7) 10.84,23.82 10.4,23.82 arc(10.27,23.95) 10.4,24.08 10.84,24.08 arc(10.97,24.21) 10.84,24.33 10.4,24.33 arc(10.27,24.46) 10.4,24.59 10.84,24.59 arc(10.97,24.71) 10.84,24.84 10.4,24.84 arc(10.27,24.97) 10.4,25.09 10.84,25.09 arc(10.97,25.22) 10.84,25.35 10.4,25.35 arc(10.27,25.48) 10.4,25.6 10.82,25.6 arc(10.87,25.61) 10.91,25.64 11.2,25.93 11.2,32.5 14.17,35.48 15.28,35.48 U4.D7